# Altium PCB Graviton-EC2.PcbDoc (part 10 of 12) (continued)
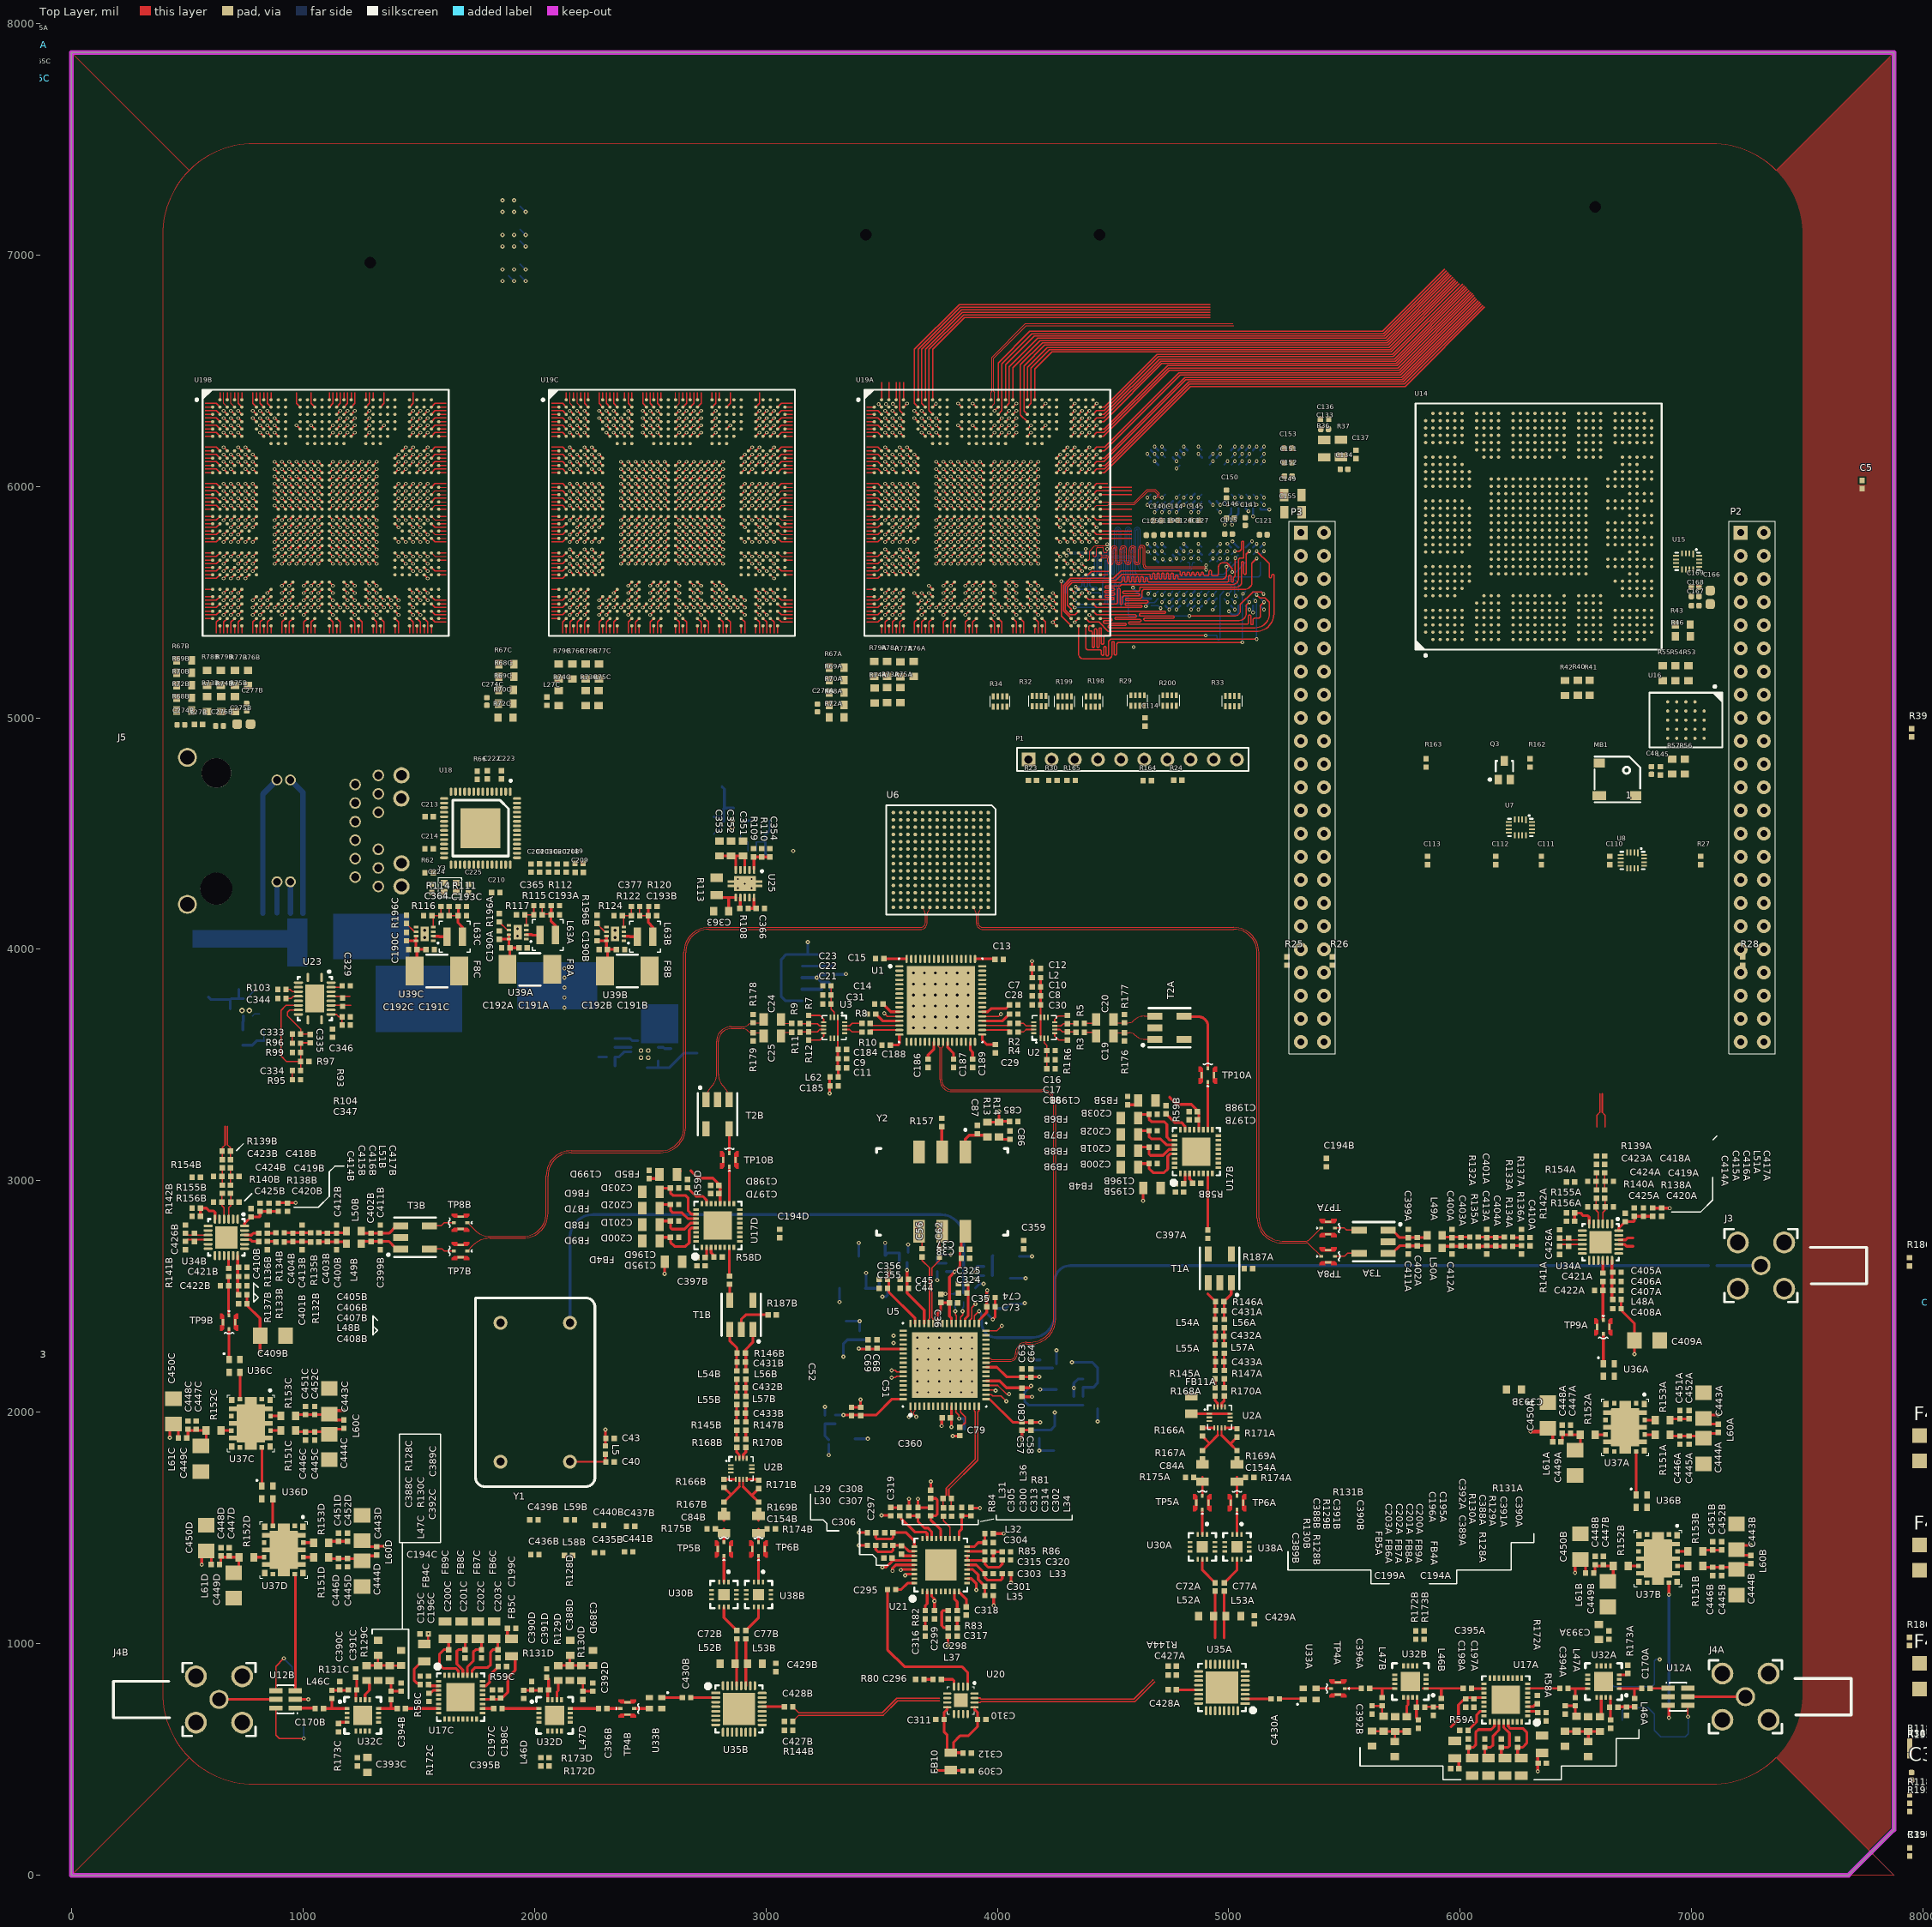
[diagram p0: Top Layer view]
## Nets (pads, with @x,y where several pads share a name; then routed paths per layer and width w, separated by ;. In a path a pad name is that pad's centre, name@x,y a point inside that pad or via, vN(x,y) a via of type N, cw(c..) or ccw(c..) an arc to the next point about the centre after c; other vN are vias at no path point) (continued)
P2B-SDRCCCLK_N: J2.283 U19C.B17 | length 70.1
  Top Layer w2.99: U19C.B17@2610.24,6342.52 2625.98,6358.27 2625.98,6406.1
P2B-SDRCCCLK_P: J2.282 U19C.A17 | length 32.1
  Top Layer w2.99: U19C.A17@2610.24,6374.02 2610.24,6406.1
P2B.DDRCC.S2: J2.205 U19C.C4 | length 22.3
  Top Layer w5: v1(2185.04,6326.77) U19C.C4@2200.79,6311.02
P2B.DDRCC.S3: J2.206 U19C.C3 | length 22.3
  Top Layer w5: v1(2153.54,6326.77) U19C.C3@2169.29,6311.02
P2B.DDRCC.S4: J2.208 U19C.D4 | length 22.3
  Top Layer w5: v1(2185.04,6295.28) U19C.D4@2200.79,6279.53
P2B.DDRCC.S5: J2.209 U19C.E4 | length 22.3
  Top Layer w5: v1(2185.04,6263.78) U19C.E4@2200.79,6248.03
P2B.DDRCC.S6: J2.212 U19C.F4 | length 22.3
  Top Layer w5: v1(2185.04,6232.28) U19C.F4@2200.79,6216.54
P2B.DDRCC.S7: J2.213 U19C.F5 | length 22.3
  Top Layer w5: v1(2216.54,6232.28) U19C.F5@2232.28,6216.54
P2B.DDRCC.S8: J2.215 U19C.B1 | length 32.1
  Top Layer w4.72: 2074.21,6342.52 U19C.B1@2106.3,6342.52
P2B.DDRCC.S9: J2.216 U19C.C2 | length 70.1
  Top Layer w4.72: 2074.21,6326.77 2122.05,6326.77 U19C.C2@2137.8,6311.02
P2B.DDRCC.S10: J2.218 U19C.D3 | length 22.3
  Top Layer w5: v1(2153.54,6295.28) U19C.D3@2169.29,6279.53
P2B.DDRCC.S11: J2.219 U19C.D2 | length 70.1
  Top Layer w4.72: 2074.21,6295.28 2122.05,6295.28 U19C.D2@2137.8,6279.53
P2B.DDRCC.S12: J2.222 U19C.F3 | length 22.3
  Top Layer w5: v1(2153.54,6232.28) U19C.F3@2169.29,6216.54
P2B.DDRCC.S13: J2.223 U19C.E3 | length 22.3
  Top Layer w5: v1(2153.54,6263.78) U19C.E3@2169.29,6248.03
P2B.DDRCC.S14: J2.225 U19C.C1 | length 32.1
  Top Layer w4.72: 2074.21,6311.02 U19C.C1@2106.3,6311.02
P2B.DDRCC.S15: J2.226 U19C.D1 | length 32.1
  Top Layer w4.72: 2074.21,6279.53 U19C.D1@2106.3,6279.53
P2B.DDRCC.S16: J2.228 U19C.F2 | length 70.1
  Top Layer w4.72: 2074.21,6232.28 2122.05,6232.28 U19C.F2@2137.8,6216.54
P2B.DDRCC.S17: J2.229 U19C.E1 | length 32.1
  Top Layer w4.72: 2074.21,6248.03 U19C.E1@2106.3,6248.03
P2B.DDRCC.S18: J2.232 U19C.F1 | length 32.1
  Top Layer w4.72: 2074.21,6216.54 U19C.F1@2106.3,6216.54
P2B.DDRCC.S19: J2.233 U19C.H1 | length 32.1
  Top Layer w4.72: 2074.21,6153.54 U19C.H1@2106.3,6153.54
P2B.DDRCC.S20: J2.235 U19C.H2 | length 70.1
  Top Layer w4.72: 2074.21,6169.29 2122.05,6169.29 U19C.H2@2137.8,6153.54
P2B.DDRCC.S21: J2.236 U19C.H3 | length 22.3
  Top Layer w5: v1(2153.54,6169.29) U19C.H3@2169.29,6153.54
P2B.DDRCC.S22: J2.238 U19C.J3 | length 22.3
  Top Layer w5: v1(2153.54,6137.8) U19C.J3@2169.29,6122.05
P2B.DDRCC.S23: J2.239 U19C.K3 | length 22.3
  Top Layer w5: v1(2153.54,6106.3) U19C.K3@2169.29,6090.55
P2B.DDRCC.S24: J2.242 U19C.K2 | length 70.1
  Top Layer w4.72: 2074.21,6106.3 2122.05,6106.3 U19C.K2@2137.8,6090.55
P2B.DDRCC.S25: J2.243 U19C.J1 | length 32.1
  Top Layer w4.72: 2074.21,6122.05 U19C.J1@2106.3,6122.05
P2B.DDRCC.S26: J2.245 U19C.K1 | length 32.1
  Top Layer w4.72: 2074.21,6090.55 U19C.K1@2106.3,6090.55
P2B.DDRCC.S27: J2.246 U19C.L1 | length 32.1
  Top Layer w4.72: 2074.21,6059.06 U19C.L1@2106.3,6059.06
P2B.DDRCC.S28: J2.248 U19C.L2 | length 70.1
  Top Layer w4.72: 2074.21,6074.8 2122.05,6074.8 U19C.L2@2137.8,6059.06
P2B.DDRCC.S29: J2.249 U19C.L3 | length 22.3
  Top Layer w5: v1(2153.54,6074.8) U19C.L3@2169.29,6059.06
P2B.DDRCC.S30: J2.252 U19C.J4 | length 22.3
  Top Layer w5: v1(2185.04,6137.8) U19C.J4@2200.79,6122.05
P2B.DDRCC.S31: J2.253 U19C.K4 | length 22.3
  Top Layer w5: v1(2185.04,6106.3) U19C.K4@2200.79,6090.55
P2B.DDRCC.S32: J2.255 U19C.H6 | length 22.3
  Top Layer w5: v1(2248.03,6169.29) U19C.H6@2263.78,6153.54
P2B.DDRCC.S33: J2.256 U19C.H5 | length 22.3
  Top Layer w5: v1(2216.54,6169.29) U19C.H5@2232.28,6153.54
P2B.DDRCC.S34: J2.258 U19C.J6 | length 22.3
  Top Layer w5: v1(2248.03,6137.8) U19C.J6@2263.78,6122.05
P2B.DDRCC.S35: J2.259 U19C.K6 | length 22.3
  Top Layer w5: v1(2248.03,6106.3) U19C.K6@2263.78,6090.55
P2B.DDRCC.S36: J2.262 U19C.K7 | length 22.3
  Top Layer w5: v1(2279.53,6106.3) U19C.K7@2295.28,6090.55
P2B.DDRCC.S37: J2.263 U19C.K5 | length 22.3
  Top Layer w5: v1(2216.54,6106.3) U19C.K5@2232.28,6090.55
P2B.DDRCC.S38: J2.265 U19C.L4 | length 22.3
  Top Layer w5: v1(2185.04,6074.8) U19C.L4@2200.79,6059.06
P2B.DDRCC.S39: J2.266 U19C.N3 | length 22.3
  Top Layer w5: v1(2153.54,6011.81) U19C.N3@2169.29,5996.06
P2B.DDRCC.S40: J2.268 U19C.N4 | length 22.3
  Top Layer w5: v1(2185.04,6011.81) U19C.N4@2200.79,5996.06
P2B.DDRCC.S41: J2.269 U19C.L7 | length 22.3
  Top Layer w5: v1(2279.53,6074.8) U19C.L7@2295.28,6059.06
P2B.DDRCC.S42: J2.272 U19C.L6 | length 22.3
  Top Layer w5: v1(2248.03,6074.8) U19C.L6@2263.78,6059.06
P2B.DDRCC.S43: J2.273 U19C.N6 | length 22.3
  Top Layer w5: v1(2248.03,6011.81) U19C.N6@2263.78,5996.06
P2B.DDRCC.S44: J2.275 U19C.N7 | length 22.3
  Top Layer w5: v1(2279.53,6011.81) U19C.N7@2295.28,5996.06
P2B.DDRCC.S45: J2.276 U19C.C5 | length 22.3
  Top Layer w5: v1(2216.54,6326.77) U19C.C5@2232.28,6311.02
P2B.DDRCC.S46: J2.278 U19C.D5 | length 22.3
  Top Layer w5: v1(2216.54,6295.28) U19C.D5@2232.28,6279.53
P2B.SDRCC.S2: J2.285 U19C.A2 | length 32.1
  Top Layer w4.72: U19C.A2@2137.8,6374.02 2137.8,6406.1
P2B.SDRCC.S3: J2.286 U19C.A3 | length 32.1
  Top Layer w4.72: U19C.A3@2169.29,6374.02 2169.29,6406.1
P2B.SDRCC.S4: J2.288 U19C.A4 | length 32.1
  Top Layer w4.72: U19C.A4@2200.79,6374.02 2200.79,6406.1
P2B.SDRCC.S5: J2.289 U19C.A5 | length 32.1
  Top Layer w4.72: U19C.A5@2232.28,6374.02 2232.28,6406.1
P2B.SDRCC.S6: J2.292 U19C.D7 | length 22.3
  Top Layer w5: v1(2279.53,6295.28) U19C.D7@2295.28,6279.53
P2B.SDRCC.S7: J2.293 U19C.C7 | length 22.3
  Top Layer w5: v1(2279.53,6326.77) U19C.C7@2295.28,6311.02
P2B.SDRCC.S8: J2.295 U19C.B7 | length 70.1
  Top Layer w4.72: 2279.53,6406.1 2279.53,6358.27 U19C.B7@2295.28,6342.52
P2B.SDRCC.S9: J2.296 U19C.A7 | length 32.1
  Top Layer w4.72: U19C.A7@2295.28,6374.02 2295.28,6406.1
P2B.SDRCC.S10: J2.298 U19C.F8 | length 22.3
  Top Layer w5: v1(2311.02,6232.28) U19C.F8@2326.77,6216.54
P2B.SDRCC.S11: J2.299 U19C.E8 | length 22.3
  Top Layer w5: v1(2311.02,6263.78) U19C.E8@2326.77,6248.03
P2B.SDRCC.S12: J2.302 U19C.D8 | length 22.3
  Top Layer w5: v1(2311.02,6295.28) U19C.D8@2326.77,6279.53
P2B.SDRCC.S13: J2.303 U19C.C8 | length 22.3
  Top Layer w5: v1(2311.02,6326.77) U19C.C8@2326.77,6311.02
P2B.SDRCC.S14: J2.305 U19C.B8 | length 70.1
  Top Layer w4.72: 2311.02,6406.1 2311.02,6358.27 U19C.B8@2326.77,6342.52
P2B.SDRCC.S15: J2.306 U19C.A8 | length 32.1
  Top Layer w4.72: U19C.A8@2326.77,6374.02 2326.77,6406.1
P2B.SDRCC.S16: J2.308 U19C.F9 | length 22.3
  Top Layer w5: v1(2342.52,6232.28) U19C.F9@2358.27,6216.54
P2B.SDRCC.S17: J2.309 U19C.D9 | length 22.3
  Top Layer w5: v1(2342.52,6295.28) U19C.D9@2358.27,6279.53
P2B.SDRCC.S18: J2.312 U19C.C9 | length 22.3
  Top Layer w5: v1(2342.52,6326.77) U19C.C9@2358.27,6311.02
P2B.SDRCC.S19: J2.313 U19C.A9 | length 32.1
  Top Layer w4.72: U19C.A9@2358.27,6374.02 2358.27,6406.1
P2B.SDRCC.S20: J2.315 U19C.F10 | length 22.3
  Top Layer w5: v1(2374.02,6232.28) U19C.F10@2389.76,6216.54
P2B.SDRCC.S21: J2.316 U19C.E10 | length 22.3
  Top Layer w5: v1(2374.02,6263.78) U19C.E10@2389.76,6248.03
P2B.SDRCC.S22: J2.318 U19C.D10 | length 22.3
  Top Layer w5: v1(2374.02,6295.28) U19C.D10@2389.76,6279.53
PGOOD-5V: R94.1 U23.11 U24.15 U39A.5 U39B.5 U39C.5 U39D.5 U39E.5
PP1V1: C171.2 C278A.2 C278B.2 C278C.2 C341.2 C342.2 C343.2 L18.1 L28A.1 L28B.1 L28C.1 L40.2 R102.1
PP1V2: C55A.2 C55B.2 C61A.2 C61B.2 C89.2 C93.2 C97.2 C107.2 C246C.2 L13.1 L14.1 L16.1 L23C.2 R112.2 R187A.2 R187B.2 U2A.2 U2B.2
PP1V2-DACCLK: C94.2 C95.2 C96.2 L14.2 U6.C12
PP1V2-DACDVDD: C104.2 C105.2 C106.2 C108.2 C109.2 L16.2 U6.B4 U6.D5 U6.D6 U6.E5 U6.E6 U6.E7 U6.F5 U6.G5 U6.H5 U6.J5 U6.K5 U6.K6 U6.K7 U6.L5 U6.L6
PP1V2-DACVDD: C90.2 C91.2 C92.2 L13.2 U6.D9 U6.E9 U6.E10 U6.F10 U6.G10 U6.H10 U6.J10 U6.K9 U6.K10 U6.L9
PP1V5: C115.2 C116.2 C117.2 C118.2 C119.2 C120.2 C121.2 C122.2 C123.2 C124.2 C125.2 C126.2 C129.2 C130.2 C131.2 C132.2 C135.2 C138.2 C139.2 C140.2 C141.2 C142.2 C143.2 C144.2 C145.2 C146.2 C147.2 C149.2 C151.2 C152.2 C153.2 C155.2 C160.2 C226A.2 C226B.2 C226C.2 C232A.2 C232B.2 C232C.2 C238A.2 C238B.2 C238C.2 C246A.2 C254A.2 C254B.2 C254C.2 C266A.2 C266B.2 C266C.2 C274A.2 C274B.2 C274C.2 C362.2 C367.2 C368.2 C369.2 L17.2 L20A.2 L20B.2 L20C.2 L21A.2 L21B.2 L21C.2 L22A.2 L22B.2 L22C.2 L23A.2 L24A.2 L24B.2 L24C.2 L26A.2 L26B.2 L26C.2 L27A.2 L27B.2 L27C.2 R31.1 R67A.2 R67B.2 R67C.2 R68A.2 R68B.2 R68C.2 R69A.2 R69B.2 R69C.2 R70A.2 R70B.2 R70C.2 R71A.2 R71B.2 R71C.2 R109.2 R120.2 U9.A1 U9.A8 U9.B2 U9.C1 U9.C9 U9.D2 U9.D9 U9.E9 U9.F1 U9.G7 U9.H2 U9.H9 U9.K2 U9.K8 U9.N1 U9.N9 U9.R1 U9.R9 U10.A1 U10.A8 U10.B2 U10.C1 U10.C9 U10.D2 U10.D9 U10.E9 U10.F1 U10.G7 U10.H2 U10.H9 U10.K2 U10.K8 U10.N1 U10.N9 U10.R1 U10.R9 U15.5 U15.6 U15.14 U15.16 U22.5 U22.6 U22.14 U25.2 | length 417.3
  Bottom Layer w10: v2(4586,5562) 4632.5,5515.5 U9.A8@4663.75,5515.5 ; U10.A1@4663.75,6156 v2(4679.5,6140.25) ; U9.C9@4726.75,5484 v2(4742.5,5468.25) ; v2(4931.75,5500) U9.K8@4947.25,5515.5 ; v2(5000,5460) 5015,5445 5035,5445 ; v2(5014,5835) 5014,5853.62 5042,5881.62 U10.N9@5042,5904 ; v2(5015.75,5762) U9.N1@5041.75,5736 ; 5041.75,5451.75 5041.75,5461.37 5042,5461.62 5042,5474.88 5041.75,5475.13 U9.N9@5041.75,5484 ; v2(5105,5455) U9.R9@5105,5483.75 ; v2(5105,5870) U10.R9@5105,5904
  other v2: 4774,5468.25 4868.5,5468.25 4837,5531.25 4774,5688.75 4679.5,5720.25 4868.5,5720.25 4963,5720.25 4648,5751.75 4711,5751.75 4805.5,5751.75 5120.5,5751.75 4711,5888.25 4742.5,5888.25 4774,5888.25 4868.5,5888.25 4648,5919.75 4963,5919.75 4837,5951.25 4774,6108.75 4868.5,6140.25 4963,6140.25 4711,6171.75 4805.5,6171.75 5057.5,6171.75 5120.5,6171.75
PP1V8: C13.2 C14.2 C15.2 C112.2 C113.2 C246B.2 L23B.2 R111.2 U1.11 U1.49 U1.64 U7.13 U8.13 | length 269.2
  Top Layer w11.81: C14.2@3506.1,3763.78 3539.57,3730.31 U1.11@3576.77,3730.31 ; C15.2@3510.04,3958.66 U1.64@3608.27,3958.66 ; U1.49@3903.54,3958.66 C13.2@3989.96,3958.66
PP1V8-ADC: C27.2 C28.2 C29.2 C30.2 C31.2 C186.2 C187.2 C188.2 C189.2 L3.1 U1.13 U1.16 U1.23 U1.26 U1.31 U1.33 U1.36 U1.38 | length 842.6
  Top Layer w11.81: C31.2@3474.61,3720.47 3504.13,3690.94 U1.13@3576.77,3690.94 ; C188.2@3537.6,3586.61 3570.87,3586.61 3576.77,3592.52 U1.16@3576.77,3631.89 ; C186.2@3700.79,3525.79 3700.79,3543.31 3726.38,3568.9 U1.23@3726.38,3600.39 ; U1.26@3785.43,3600.39 3785.43,3576.77 3811.02,3551.18 C187.2@3811.02,3525.79 ; U1.31@3883.86,3600.39 3883.86,3564.96 3893.7,3555.12 C189.2@3893.7,3525.79 ; U1.33@3935.04,3631.89 3935.04,3608.27 3954.53,3588.78 C29.2@3992.13,3588.78 ; U1.36@3935.04,3690.94 4023.43,3690.94 C28.2@4052.95,3720.47 ; U1.38@3935.04,3730.31 3958.66,3730.31 3972.44,3744.09 4037.2,3744.09 C30.2@4052.95,3759.84
  Bottom Layer w11.81: L3.1@3295.28,3891.54 v3@3344.29,3891.54
  other v3: 3346.46,3893.7
PP1V8-ENET: C211.2 C212.2 C213.2 C214.2 U18.3 U18.19 U18.26 U18.35 U18.38 U18.39
PP1V-ENET: C220.2 C221.2 C222.2 C223.2 U18.6 U18.40 U18.42
PP2V5: C280A.2 C280B.2 C280C.2 C281A.2 C281B.2 C281C.2 C282A.2 C282B.2 C282C.2 C283A.2 C283B.2 C283C.2 R121.2 U14.AC11 U14.AC22 U14.K13 U14.K20 U14.N10 U14.N23 U14.Y10 U14.Y23 U19A.AC11 U19A.AC22 U19A.K13 U19A.K20 U19A.N10 U19A.N23 U19A.Y10 U19A.Y23 U19B.AC11 U19B.AC22 U19B.K13 U19B.K20 U19B.N10 U19B.N23 U19B.Y10 U19B.Y23 U19C.AC11 U19C.AC22 U19C.K13 U19C.K20 U19C.N10 U19C.N23 U19C.Y10 U19C.Y23 | length 534.5
  Top Layer w5: v1(877.95,5759.84) U19B.Y10@893.7,5775.59 ; v1(877.95,6011.81) U19B.N10@893.7,5996.06 ; v1(909.45,5665.35) U19B.AC11@925.2,5681.1 ; v1(972.44,6106.3) U19B.K13@988.19,6090.55 ; U19B.K20@1208.66,6090.55 v1(1224.41,6106.3) ; U19B.AC22@1271.65,5681.1 v1(1287.4,5665.35) ; U19B.Y23@1303.15,5775.59 v1(1318.9,5759.84) ; U19B.N23@1303.15,5996.06 v1(1318.9,6011.81) ; v1(2374.02,5759.84) U19C.Y10@2389.76,5775.59 ; v1(2374.02,6011.81) U19C.N10@2389.76,5996.06 ; v1(2405.51,5665.35) U19C.AC11@2421.26,5681.1 ; v1(2468.5,6106.3) U19C.K13@2484.25,6090.55 ; U19C.K20@2704.72,6090.55 v1(2720.47,6106.3) ; U19C.AC22@2767.72,5681.1 v1(2783.46,5665.35) ; U19C.Y23@2799.21,5775.59 v1(2814.96,5759.84) ; U19C.N23@2799.21,5996.06 v1(2814.96,6011.81) ; v1(3736.22,5759.84) U19A.Y10@3751.97,5775.59 ; v1(3736.22,6011.81) U19A.N10@3751.97,5996.06 ; v1(3767.72,5665.35) U19A.AC11@3783.46,5681.1 ; v1(3830.71,6106.3) U19A.K13@3846.46,6090.55 ; U19A.K20@4066.93,6090.55 v1(4082.68,6106.3) ; U19A.AC22@4129.92,5681.1 v1(4145.67,5665.35) ; U19A.Y23@4161.42,5775.59 v1(4177.17,5759.84) ; U19A.N23@4161.42,5996.06 v1(4177.17,6011.81)
PP2V7N: C199A.2 C199B.2 C199C.2 C199D.2 FB5A.2 FB5B.2 FB5C.2 FB5D.2 | length 108.7
  Top Layer w11.81: FB5C.2@1883.66,1039.76 C199C.2@1883.66,1066.93 ; C199D.2@2495.67,3009.65 FB5D.2@2522.83,3009.65 ; C199B.2@4562.99,3328.54 FB5B.2@4590.16,3328.54 ; C199A.2@5994.29,460.63 FB5A.2@5994.29,487.8
PP3V3: C6.2 C32.2 C39.2 C46.2 C47.2 C48.2 C53.2 C54.2 C59.2 C60.2 C65.2 C66.2 C70.2 C71.2 C75.2 C76.2 C82.2 C83.2 C88.2 C103.2 C110.2 C111.2 C156.2 C209.2 C258A.2 C258B.2 C258C.2 C299.2 C306.2 C309.2 C326.2 C327.2 C357.2 C358.2 C366.1 C438A.2 C438B.2 C442A.2 C442B.2 FB1.2 FB10.2 L1.1 L4.1 L6.1 L7.1 L8.1 L9.1 L10.1 L11.1 L12.1 L15.1 L19.1 L25A.2 L25B.2 L25C.2 L29.2 L30.2 L31.2 L32.2 L33.2 L34.2 L35.2 L36.2 L37.2 L38.1 L41.1 L45.1 L58A.1 L58B.1 L59A.1 L59B.1 MB1.1 P3.3 P3.4 R23.1 R25.2 R26.1 R27.1 R30.2 R87.2 R100.2 R108.2 R164.2 R180A.2 R180B.2 R183A.2 R183B.2 U4.1 U4.5 U7.14 U8.14 U21.3 U21.31 U25.10 | length 2963.1
  Top Layer w11.81: R108.2@2923.43,4177.17 C366.1@2958.46,4177.17 ; C366.1@2948.82,4177.17 U25.10@2948.82,4220.47 ; v3(3401.57,1425.2) L30.2@3438.78,1425.2 ; v3(3401.57,1480.32) L29.2@3438.78,1480.32 ; v3(3503.94,1330.71) 3519.69,1330.71 3545.47,1356.5 C306.2@3545.47,1370.08 ; C306.2@3545.47,1360.43 U21.31@3641.73,1360.43 ; L31.2@3618.11,1588.78 v3(3618.11,1625.98) ; L36.2@3712.6,1663.58 v3(3712.6,1700.79) ; U21.3@3716.54,1226.57 3716.54,1204.72 3728.35,1192.91 C299.2@3728.35,1143.9 ; v3(3736.22,452.76) C309.2@3850,452.76 ; v3(3787.4,992.13) L37.2@3787.4,1033.27 ; L34.2@3887.99,1586.61 v3(3925.2,1586.61) ; L32.2@3982.48,1476.38 v3(4027.56,1476.38) ; v3(3984.25,1165.35) L35.2@3984.25,1206.89 ; v3(4059.06,1263.78) L33.2@4059.06,1301.38
  Bottom Layer w11.81: U4.5@3157.48,3777.95 3084.25,3777.95 3066.93,3795.28 3066.93,3956.69 3088.19,3977.95 U4.1@3157.48,3977.95 U4.1@3181.1,3977.95 ; v3(3181.1,4031.5) U4.1@3181.1,3977.95 ; C32.2@3239.57,3977.95 U4.1@3181.1,3977.95 ; v3(3271.65,1814.96) C54.2@3271.65,1862.2 ; C54.2@3271.65,1881.89 3255.91,1897.64 C53.2@3255.91,1950.59 L7.1@3299.21,1950.59 ; v3(3334.65,2240.16) C71.2@3334.65,2295.28 3352.56,2313.19 L10.1@3440.94,2313.19 ; C358.2@3429.13,2535.43 C357.2@3489.96,2535.43 L41.1@3489.96,2574.8 ; C358.2@3433.07,2539.37 v3(3433.07,2602.36) ; v3(3515.75,2732.28) 3515.75,2677.17 3527.56,2688.98 C46.2@3576.57,2688.98 L6.1@3576.57,2649.61 ; L4.1@3779.53,2643.9 C39.2@3740.16,2643.9 3740.16,2669.29 3751.97,2681.1 v3(3799.21,2681.1) ; L38.1@3978.54,2590.55 3978.54,2675.39 C327.2@3980.32,2677.17 ; L11.1@3990.35,2488.19 C75.2@3990.35,2448.82 4035.43,2448.82 C76.2@4055.12,2468.5 4114.17,2468.5 v3(4118.11,2472.44) ; L8.1@4141.73,1923.03 4230.12,1923.03 C60.2@4248.03,1940.94 v3(4248.03,2000) ; L9.1@4141.73,2191.14 C66.2@4238.39,2191.14 ; C66.2@4255.91,2208.66 v3(4255.91,2267.72) ; v3(4322.83,2216.54) 4409.45,2216.54 4433.07,2192.91 C83.2@4433.07,2125.98 4415.16,2108.07 C82.2@4370.08,2108.07 L12.1@4370.08,2069.09
  other v3: 3728.35,1185.04 3118.11,4425.2
PP3V3-ADC: C1.2 C2.2 C3.2 C4.2 C5.2 L1.2 U1.17 U1.32
PP3V3-DACAVDD: C98.2 C99.2 C100.2 C101.2 C102.2 L15.2 U6.D10 U6.E11 U6.F11 U6.G11 U6.H11 U6.J11 U6.K11 U6.L10
PP3V3-DIST: C157.2 C158.2 C159.2 FB1.1 U13.8 U13.13
PP3V3-ENET: C204.2 C205.2 C206.2 C207.2 C208.2 J5.18 L19.2 R66.2 U18.11 U18.20 U18.25 U18.36 U18.49 U18.52
PP3V3-LO-DIST: C310.2 C311.2 C312.2 FB10.1 U20.8 U20.13 | length 529.9
  Top Layer w11.81: FB10.1@3783.46,531.5 3783.46,606.3 3769.88,619.88 C311.2@3769.88,673.23 3769.88,702.95 3783.46,716.54 U20.8@3783.46,726.38 ; FB10.1@3795.28,533.66 FB10.1@3799.02,529.92 3849.8,529.92 C312.2@3852.17,527.56 ; FB10.1@3811.02,531.5 3811.02,574.8 3838.58,602.36 3874.02,602.36 3915.16,643.5 C310.2@3915.16,673.23 3915.16,702.95 3901.57,716.54 U20.13@3901.57,726.38
PP3V3-RXLOA: C439A.2 C440A.2 C441A.2 L59A.2 U35A.4
PP3V3-RXLOB: C439B.2 C440B.2 C441B.2 L59B.2 U35B.4
PP3V3-RXMIXA: C429A.2 C435A.2 C436A.2 C437A.2 L52A.2 L53A.2 L58A.2 U35A.10 U35A.31
PP3V3-RXMIXB: C429B.2 C435B.2 C436B.2 C437B.2 L52B.2 L53B.2 L58B.2 U35B.10 U35B.31
PP3V3-VCXO: C35.2 C36.2 C37.2 C38.2 C359.2 C360.2 L4.2 U5.10 U5.39 U5.42 Y2.6 | length 679.9
  Top Layer w11.81: U5.42@3743.11,2383.86 3743.11,2428.15 3755.91,2440.94 C36.2@3755.91,2474.21 C35.2@3791.34,2474.21 ; v3(3802.17,1937.01) U5.10@3802.17,2025.59 ; U5.39@3802.17,2383.86 3802.17,2406.5 3793.11,2415.55 C35.2@3793.11,2472.44 3793.11,2584.45 v3(3815.85,2607.19) 3838.58,2629.92 C37.2@3838.58,2700.79 ; C37.2@3844.69,2704.72 3844.69,2764.37 Y2.6@3861.81,2781.5
  Bottom Layer w11.81: L4.2@3779.53,2608.07 3814.96,2608.07 cw(c3814.96,2607.19) v3(3815.85,2607.19)
PP5V: C12.2 C43.2 C185.2 C194A.2 C194B.2 C194C.2 C194D.2 C331.2 C332.2 C336.2 C337.2 C338.2 C382A.2 C382B.2 C382C.2 C382D.2 C408A.2 C408B.2 C409A.2 C409B.2 C417A.2 C417B.2 C443A.2 C443B.2 C443C.2 C443D.2 C450A.2 C450B.2 C450C.2 C450D.2 C451A.2 C451B.2 C451C.2 C451D.2 C452A.2 C452B.2 C452C.2 C452D.2 F3.1 F8A.1 F8B.1 F8C.1 F8D.1 F8E.1 FB4A.2 FB4B.2 FB4C.2 FB4D.2 FB11A.2 FB11B.2 FB12A.2 FB12B.2 FB12C.2 FB12D.2 L2.1 L5.1 L39.2 L48A.1 L48B.1 L51A.1 L51B.1 L60A.2 L60B.2 L60C.2 L60D.2 L61A.1 L61B.1 L61C.1 L61D.1 L62.1 P3.5 P3.6 R95.1 R97.1 R153A.2 R153B.2 R153C.2 R153D.2 | length 71153.4
  Top Layer w10: FB4C.2@1524.61,999.21 1541.54,1016.14 v3(1541.54,1043.31)
  Top Layer w11.81: v3(425.2,1889.76) C450C.2@425.2,1944.88 ; L61C.1@462.4,1889.76 C450C.2@462.4,1927.36 ; v3(562.99,1342.52) C450D.2@562.99,1401.57 ; L61D.1@604.13,1342.52 C450D.2@604.13,1380.12 ; L48B.1@758.07,2507.87 758.07,2462.4 814.96,2405.51 C409B.2@814.96,2330.71 v3(814.96,2263.78) ; L51B.1@893.7,2903.74 895.47,2905.51 v3(968.5,2905.51) ; R153C.2@975,1989.96 C451C.2@1011.81,1989.96 C452C.2@1051.18,1989.96 C443C.2@1118.11,1989.96 ; C443C.2@1114.17,2007.87 v3(1177.17,2007.87) ; R153D.2@1116.73,1442.72 C451D.2@1153.54,1442.72 C452D.2@1192.91,1442.72 ; C443C.2@1139.57,1966.73 L60C.2@1177.17,1966.73 ; C443D.2@1281.3,1419.49 L60D.2@1318.9,1419.49 ; L60D.2@1318.9,1421.26 v3(1354.33,1421.26) ; L5.1@2307.09,1854.33 v3(2307.09,1925.2) ; v3(2562.99,2598.43) FB4D.2@2562.99,2649.61 ; v3(3275.59,3377.95) 3275.59,3447.05 L62.1@3277.36,3448.82 ; v3(4149.61,3948.82) 4149.61,3879.72 L2.1@4151.38,3877.95 ; v3(4629.92,2913.39) FB4B.2@4629.92,2972.44 ; v3(6334.65,448.82) FB4A.2@6334.65,527.56 ; L61A.1@6399.41,1872.05 C450A.2@6399.41,1909.65 ; v3(6496.06,1307.09) C450B.2@6496.06,1362.2 ; L61B.1@6541.14,1305.12 C450B.2@6541.14,1342.72 ; L48A.1@6695.08,2487.2 C408A.2@6695.08,2447.83 6695.08,2441.73 6751.97,2384.84 v3(6751.97,2251.97) ; L51A.1@6830.71,2883.07 6831.89,2881.89 v3(6905.51,2881.89) ; R153A.2@6912.01,1972.24 C451A.2@6948.82,1972.24 C452A.2@6988.19,1972.24 ; C443A.2@7051.18,1988.19 v3(7114.17,1988.19) ; R153B.2@7053.74,1405.31 C451B.2@7090.55,1405.31 C452B.2@7129.92,1405.31 ; C443A.2@7076.57,1949.02 L60A.2@7114.17,1949.02 ; C443B.2@7188.98,1425.2 v3(7255.91,1425.2) ; C443B.2@7218.31,1382.09 L60B.2@7255.91,1382.09
  Top Layer w15.75: v3(6303.15,1917.32) C450A.2@6364.17,1917.32
  Signal Layer 2 w11.81: v3(425.2,1889.76) 425.2,2866.14 1559.06,4000 2086.61,4000 2102.36,4000 2122.05,3980.32 2129.92,3972.44 2129.92,3952.76 v3(2129.92,3917.32) ; 4181.1,4153.54 4185.04,4153.54 6216.54,2122.05 6685.04,2122.05 6818.9,1988.19 v3(7114.17,1988.19)
  Signal Layer 2 w15.75: v3(562.99,1342.52) 708.66,1342.52 1263.78,1897.64 1263.78,3208.66 1905.51,3850.39 2114.17,3850.39 v3(2129.92,3834.65) ; v3(814.96,2263.78) 814.96,3094.49 1673.23,3952.76 2129.92,3952.76 3196.85,3952.76 3267.72,4023.62 3925.2,4023.62 4279.53,3669.29 4578.74,3669.29 6244.09,2003.94 6677.17,2003.94 v3(7255.91,1425.2) ; v3(968.5,2905.51) 968.5,3094.49 1791.34,3917.32 v3(2129.92,3917.32) 3070.87,3917.32 3397.64,3590.55 4507.87,3590.55 6181.1,1917.32 v3(6303.15,1917.32) ; v3(1177.17,2007.87) 1177.17,3204.72 1850.39,3877.95 v3(2129.92,3877.95) 3035.43,3877.95 3377.95,3535.43 4429.13,3535.43 6496.06,1468.5 v3(6496.06,1307.09) ; v3(1354.33,1421.26) 1354.33,3204.72 1964.57,3814.96 2110.24,3814.96 v3(2129.92,3834.65) ; v3(1541.54,1043.31) 1541.54,3277.76 2055.12,3791.34 v3(2129.92,3791.34) 2862.2,3791.34 v3(3275.59,3377.95) ; 2086.61,4000 2086.61,4271.65 2169.29,4354.33 4200.34,4354.33 5672.78,2881.89 v3(6905.51,2881.89) ; 2122.05,3980.32 2133.86,3980.32 ; v3(2307.09,1925.2) 2307.09,3035.43 2129.92,3212.6 v3(2129.92,3748.03) ; v3(2562.99,2598.43) 2562.99,3334.65 2149.61,3748.03 v3(2129.92,3748.03) ; v3(4149.61,3948.82) 4000,4098.43 2559.06,4098.43 2440.94,3980.32 2133.86,3980.32 ; 4181.1,4153.54 2354.33,4153.54 2208.66,4007.87 2133.86,4007.87 ; v3(4629.92,2913.39) 3338.58,2913.39 2503.94,3748.03 v3(2129.92,3748.03) ; v3(6334.65,448.82) 6334.65,1448.82 4326.77,3456.69 3358.27,3456.69 2980.32,3834.65 v3(2129.92,3834.65) ; v3(6751.97,2251.97) 6192.91,2251.97 4196.85,4248.03 2954.16,4248.03 2948.04,4241.91 2226.16,4241.91 2133.86,4149.61 2133.86,4007.87 ; 2133.86,3980.32 2133.86,4007.87
PP5V-ADCBUFFER-A: C7.2 C8.2 C10.2 L2.2 U2.1 U2.10 | length 261.6
  Top Layer w5.98: U2.1@4187.01,3616.14 U2.10@4187.01,3706.69 C7.2@4187.01,3759.65
  Top Layer w11.81: C7.2@4187.2,3759.84 C8.2@4187.2,3799.21 C10.2@4187.2,3838.58 L2.2@4187.2,3877.95
PP5V-ADCBUFFER-B: C9.2 C11.2 C184.2 L62.2 U3.1 U3.10 | length 255.7
  Top Layer w5.98: C184.2@3311.02,3568.7 U3.10@3311.02,3616.14 U3.1@3311.02,3706.69
  Top Layer w11.81: C11.2@3311.02,3489.96 C184.2@3311.02,3568.7 ; L62.2@3312.8,3449.21 C11.2@3312.8,3488.19
PP5V-LOA: C414A.2 C415A.2 C416A.2 L51A.2 U34A.24 | length 191.1
  Top Layer w11.81: U34A.24@6685.04,2784.45 6685.04,2796.06 C414A.2@6712.6,2823.62 6749.8,2823.62 6751.97,2825.79 C415A.2@6751.97,2847.24 C416A.2@6791.34,2847.24 L51A.2@6830.71,2847.24
PP5V-LOB: C414B.2 C415B.2 C416B.2 L51B.2 U34B.24 | length 179.6
  Top Layer w11.81: U34B.24@748.03,2805.12 748.03,2816.73 C414B.2@775.59,2844.29 812.8,2844.29 814.96,2846.46 C415B.2@814.96,2867.91 814.96,2868.31 L51B.2@881.89,2868.31
PP5V-MODA: C405A.2 C406A.2 C407A.2 L48A.2 R155A.1 U34A.18 | length 170.8
  Top Layer w5.98: L48A.2@6655.51,2490.94 L48A.2@6659.25,2487.2
  Top Layer w11.81: L48A.2@6655.51,2490.94 U34A.18@6655.51,2656.5
PP5V-MODB: C405B.2 C406B.2 C407B.2 L48B.2 R155B.1 U34B.18 | length 170.8
  Top Layer w5.98: L48B.2@718.5,2511.61 L48B.2@722.24,2507.87
  Top Layer w11.81: L48B.2@718.5,2511.61 U34B.18@718.5,2677.17
PP5V-OCXO: C40.2 C41.2 C42.2 L5.2 Y1.14 | length 183.9
  Top Layer w5.98: Y1.14@2153.94,1786.61 C40.2@2306.3,1786.61
  Top Layer w11.81: C40.2@2307.09,1787.4 L5.2@2307.09,1818.9
PP8V: U11A.8 U11B.8
PP48V: J1.222 J1.223 J1.225 J1.226 J1.228 J1.229 J1.232 J1.233 J1.235 J1.236 J1.238 J1.239 J1.242 J1.243 J1.245 J1.246 J1.248 J1.249
PP-OUTA: C193A.2 C365.2 L63A.2 R112.1 R115.2 | length 212.5
  Top Layer w5.98: R115.2@2032.24,4152.2 C193A.2@2071.22,4152.2 ; R115.2@2033.66,4153.62 C365.2@2033.66,4188.98
  Top Layer w11.81: C193A.2@2071.22,4152.2 2071.22,4122.87 2091.1,4102.99 L63A.2@2091.1,4061.65 ; C193A.2@2072.64,4149.61 R112.1@2072.64,4188.98
PP-OUTB: C193B.2 C377.1 L63B.2 R120.1 R122.1 | length 213.7
  Top Layer w5.98: C377.1@2454.92,4185.04 R122.1@2454.92,4145.67 C193B.2@2492.13,4145.67
  Top Layer w11.81: R120.1@2492.48,4183.62 C193B.2@2492.48,4145.32 2492.48,4115.98 2512.36,4096.1 L63B.2@2512.36,4054.76
PP-OUTC: C193C.2 C364.2 L63C.2 R111.1 R114.2 | length 214.7
  Top Layer w5.98: C364.2@1632.09,4185.04 R114.2@1632.09,4145.67 C193C.2@1669.29,4145.67
  Top Layer w11.81: C193C.2@1669.65,4145.32 1669.65,4115.98 1689.53,4096.1 L63C.2@1689.53,4054.76 ; C193C.2@1671.06,4145.67 R111.1@1671.06,4185.04
PP-OUTD: C193D.2 C378.2 L63D.2 R121.1 R123.2 | length 137.8
  Bottom Layer w5.98: 831.34,3605.95 831.34,3644.92
  Bottom Layer w11.81: 740.79,3586.06 782.13,3586.06 802.01,3605.95 831.34,3605.95
PP-OUTE: C193E.2 C328.2 L63E.2 R87.1 R88.2 | length 233.9
  Bottom Layer w5.98: C328.2@2958.86,4425.2 R88.2@2958.86,4464.57 C193E.2@2997.83,4464.57
  Bottom Layer w11.81: R87.1@3001.77,4409.45 2997.83,4413.39 C193E.2@2997.83,4464.57 2997.83,4493.9 3017.72,4513.78 L63E.2@3017.72,4555.12
PPCLK0: C51.2 C52.2 L7.2 U5.64 | length 321.1
  Top Layer w11.81: v3(3334.65,1988.19) 3476.38,1988.19 3545.28,2057.09 U5.64@3593.5,2057.09
  Bottom Layer w11.81: L7.2@3300.98,1988.19 v3(3334.65,1988.19)
PPCLK1: C57.2 C58.2 L8.2 U5.17 | length 319.1
  Top Layer w11.81: U5.17@3951.77,2057.09 3951.89,2056.97 3966.65,2056.97 4066.93,1956.69 v3(4185.04,1956.69)
  Bottom Layer w11.81: L8.2@4141.73,1958.86 4143.9,1956.69 v3(4185.04,1956.69)
PPCLK2: C63.2 C64.2 L9.2 U5.24 | length 284.1
  Top Layer w11.81: U5.24@3951.77,2194.88 3998.03,2194.88 4039.37,2153.54 v3(4181.1,2153.54)
  Bottom Layer w11.81: L9.2@4143.5,2153.54 v3(4181.1,2153.54)
PPCLK3: C68.2 C69.2 L10.2 U5.53 | length 227.6
  Top Layer w11.81: v3@3403.54,2273.62 U5.53@3593.5,2273.62
  Bottom Layer w11.81: v3(3401.57,2275.59) L10.2@3439.17,2275.59
PPCLK4: C73.2 C74.2 L11.2 U5.33 | length 196
  Top Layer w11.81: U5.33@3920.28,2383.86 3920.28,2396.65 3954.92,2431.3 3954.92,2525.79 v3(3956.69,2527.56)
  Bottom Layer w11.81: L11.2@3956.69,2490.35 v3(3956.69,2527.56)
PPCLK5: C80.2 C81.2 L12.2 U5.21 | length 546.2
  Top Layer w11.81: U5.21@3951.77,2135.83 4009.84,2135.83 4039.37,2106.3 4137.8,2106.3 v3(4145.67,2114.17)
  Bottom Layer w11.81: v3(4145.67,2114.17) 4118.11,2086.61 4118.11,2047.24 4133.86,2031.5 L12.2@4370.08,2031.5
  other v4: 3654.53,2086.61 3701.77,2086.61 3749.02,2086.61 3796.26,2086.61 3843.5,2086.61 3890.75,2086.61 3654.53,2133.86 3701.77,2133.86 3749.02,2133.86 3796.26,2133.86 3843.5,2133.86 3890.75,2133.86 3654.53,2181.1 3701.77,2181.1 3749.02,2181.1 3796.26,2181.1 3843.5,2181.1 3890.75,2181.1 3654.53,2228.35 3701.77,2228.35 3749.02,2228.35 3796.26,2228.35 3843.5,2228.35 3890.75,2228.35 3654.53,2275.59 3701.77,2275.59 3749.02,2275.59 3796.26,2275.59 3843.5,2275.59 3890.75,2275.59 3654.53,2322.83 3701.77,2322.83 3749.02,2322.83 3796.26,2322.83 3843.5,2322.83 3890.75,2322.83
PPCLK6: C44.2 C45.2 L6.2 U5.45 | length 294.2
  Top Layer w11.81: v3(3610.24,2614.17) 3610.24,2515.75 3684.06,2441.93 U5.45@3684.06,2383.86
  Bottom Layer w11.81: v3(3610.24,2614.17) L6.2@3610.24,2647.44
PPCLK7: C324.2 C325.2 L38.2 U5.36 | length 212.4
  Top Layer w11.81: U5.36@3861.22,2383.86 3861.22,2404.53 3874.02,2417.32 C325.2@3874.02,2547.24
  Bottom Layer w11.81: v3(3905.51,2574.8) 3921.26,2590.55 L38.2@3942.72,2590.55
PPCLK8: C355.2 C356.2 L41.2 U5.47 | length 318.9
  Top Layer w11.81: v3(3531.5,2614.17) 3531.5,2519.69 3644.68,2406.5 U5.47@3644.68,2383.86
  Bottom Layer w11.81: L41.2@3525.79,2574.8 3525.79,2608.46 v3(3531.5,2614.17)
PWR_BUT: P3.9
RAMCLK_N: U5.2 U19A.AE32 | length 84.2
  Top Layer w2.99: U5.2@3644.68,2025.59 3644.68,2008.35 3638.84,2002.5 3638.84,1991.08 v3(3649.61,1980.32)
  Top Layer w4.72: U19A.AE32@4444.88,5618.11 4476.97,5618.11
RAMCLK_P: U5.1 U19A.AD32 | length 53.5
  Top Layer w2.99: v3(3618.11,1980.32) 3619.04,1980.32 3630.85,1992.13 3630.85,2002.5 3625,2008.35 U5.1@3625,2025.59
RAMCLKB_N: U19B.AE32 | length 32.1
  Top Layer w4.72: U19B.AE32@1586.61,5618.11 1618.7,5618.11